# KiCad board EndGame.kicad_pcb (continued)
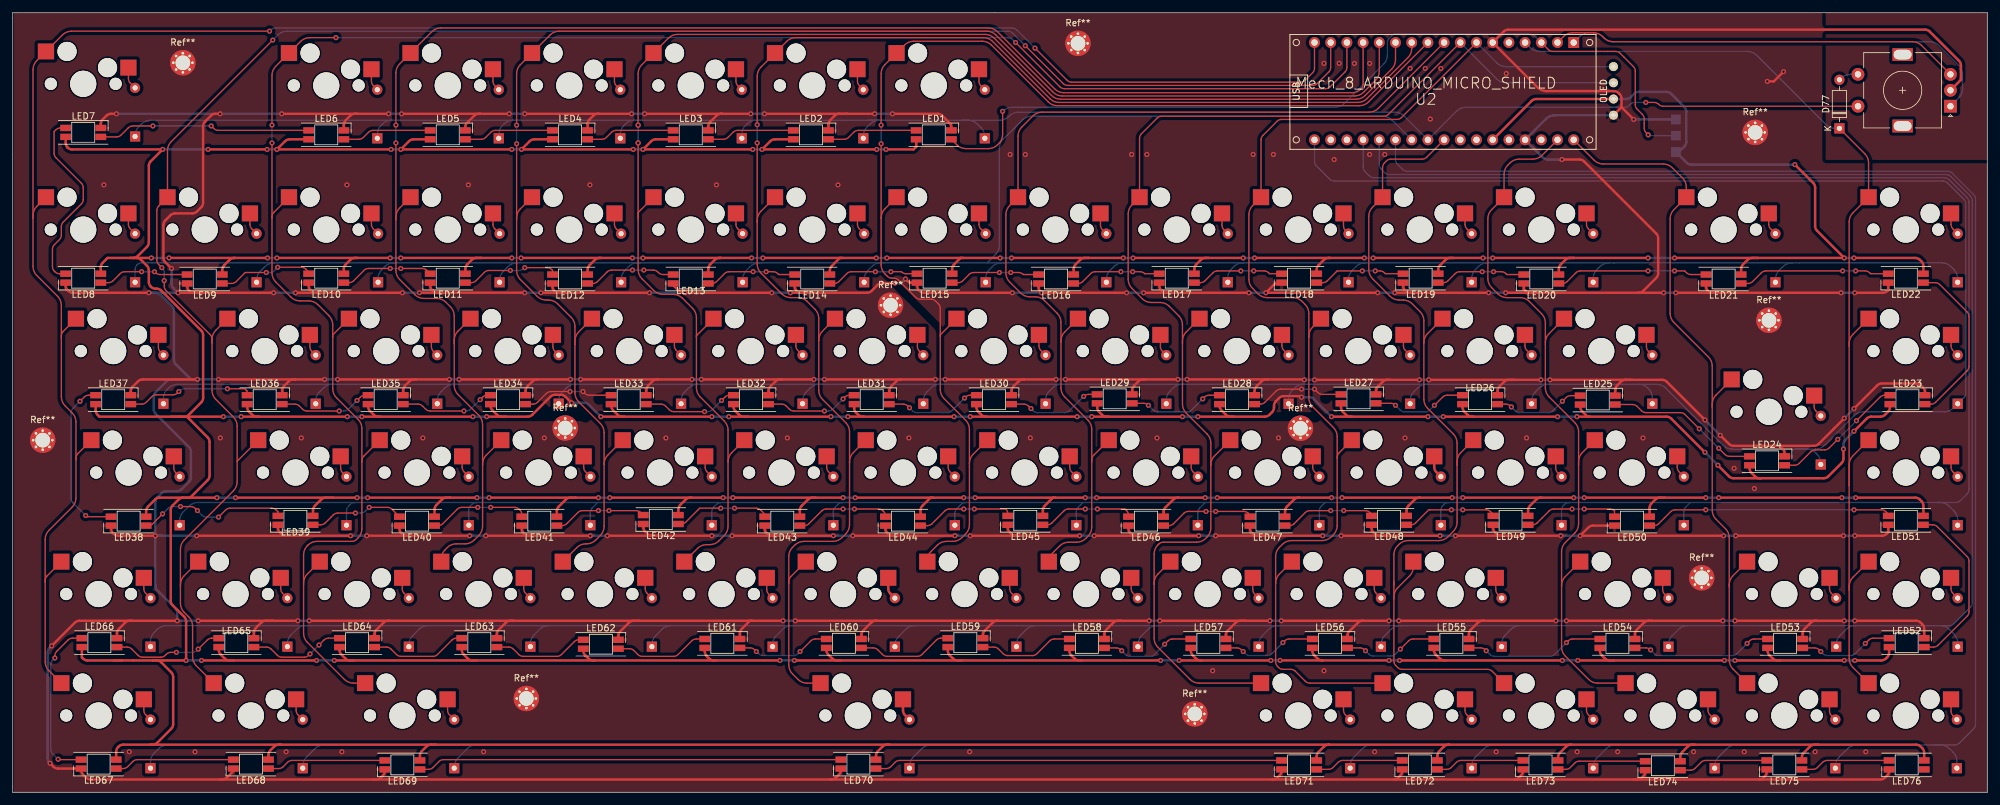
[diagram p0: board, top side]
## Routing (per net, layer and track width the routed paths; a pad name or vN(x,y) marks a point on that pad's centre or on a via; arc(x,y) is an arc through that point) (continued)
Net-(LED50-DOUT): length 38.9
  Top w0.2: LED50.2 257.33,41.81 arc(257.71,41.89) 258.04,42.11 259.93,44 arc(260.25,44.22) 260.64,44.29 v1(265.43,44.29) ; v1(288.67,44.29) 292.96,44.29 arc(293.34,44.22) 293.66,44 294.05,43.61 LED51.4
  Bottom w0.2: v1(265.43,44.29) v1(288.67,44.29)
Net-(LED51-DOUT): length 27.1
  Top w0.2: LED52.4 301.15,22.76 arc(301.53,22.84) 301.85,23.06 306.41,27.62 arc(306.63,27.94) 306.7,28.32 306.7,36.26 arc(306.63,36.64) 306.41,36.96 301.73,41.65 arc(301.4,41.86) 301.02,41.94 LED51.2
Net-(LED52-DOUT): length 15
  Top w0.2: 294.18,24.16 291.69,24.16 arc(291.31,24.09) 290.98,23.87 v1(290.45,23.34) ; LED53.4 282.48,22.64 arc(282.86,22.56) 283.19,22.34 v1(283.46,22.07)
  Bottom w0.2: v1(290.45,23.34) 288.84,21.72 arc(288.51,21.51) 288.13,21.43 284.51,21.43 arc(284.13,21.51) 283.81,21.72 v1(283.46,22.07)
Net-(LED53-DOUT): length 22.2
  Top w0.2: v1(271.91,23.34) 272.31,23.74 arc(272.64,23.96) 273.02,24.04 LED53.2 ; v1(256.79,22.32) 256.77,22.34 arc(256.45,22.56) 256.06,22.64 LED54.4
  Bottom w0.2: v1(271.91,23.34) 270.29,21.72 arc(269.97,21.51) 269.59,21.43 258.1,21.43 arc(257.71,21.51) 257.39,21.72 v1(256.79,22.32)
Net-(LED54-DOUT): length 22
  Top w0.2: v1(243.59,23.46) 243.87,23.74 arc(244.19,23.96) 244.57,24.04 LED54.2 ; v1(231.01,22.19) 230.86,22.34 arc(230.54,22.56) 230.16,22.64 LED55.4
  Bottom w0.2: v1(243.59,23.46) 241.72,21.6 arc(241.4,21.38) 241.01,21.3 232.32,21.3 arc(231.93,21.38) 231.61,21.6 v1(231.01,22.19)
Net-(LED55-DOUT): length 15
  Top w0.2: v1(217.55,22.45) 218.85,23.74 arc(219.17,23.96) 219.55,24.04 LED55.2 ; v1(212.09,22.19) 211.94,22.34 arc(211.62,22.56) 211.23,22.64 LED56.4
  Bottom w0.2: v1(212.09,22.19) 212.62,21.66 arc(212.95,21.45) 213.33,21.37 216.06,21.37 arc(216.44,21.45) 216.77,21.66 v1(217.55,22.45)
Net-(LED56-DOUT): length 15
  Top w0.2: LED56.2 200.12,24.04 arc(199.74,23.96) 199.42,23.74 v1(199.14,23.46) ; LED57.4 191.93,22.64 arc(192.31,22.56) 192.64,22.34 v1(192.91,22.07)
  Bottom w0.2: v1(192.91,22.07) 193.26,21.72 arc(193.58,21.51) 193.96,21.43 196.69,21.43 arc(197.07,21.51) 197.4,21.72 v1(199.14,23.46)
Net-(LED57-DOUT): length 15.1
  Top w0.2: v1(173.86,22.19) 173.71,22.34 arc(173.39,22.56) 173.01,22.64 LED58.4 ; v1(180.59,23.21) 181.13,23.74 arc(181.45,23.96) 181.84,24.04 LED57.2
  Bottom w0.2: v1(180.59,23.21) 178.69,21.3 175.17,21.3 arc(174.78,21.38) 174.46,21.6 v1(173.86,22.19)
Net-(LED58-DOUT): length 15
  Top w0.2: LED59.4 153.83,22.76 arc(154.21,22.69) 154.54,22.47 155.28,21.72 arc(155.61,21.51) 155.99,21.43 159.86,21.43 arc(160.24,21.51) 160.57,21.72 162.59,23.74 arc(162.91,23.96) 163.29,24.04 LED58.2
Net-(LED59-DOUT): length 15.1
  Top w0.2: 146.6,24.16 145.51,24.16 arc(145.13,24.09) 144.81,23.87 142.53,21.6 arc(142.21,21.38) 141.83,21.3 137.07,21.3 arc(136.68,21.38) 136.36,21.6 135.61,22.34 arc(135.29,22.56) 134.91,22.64 LED60.4
Net-(LED60-DOUT): length 15
  Top w0.2: v1(116.59,22.07) 116.31,22.34 arc(115.98,22.56) 115.6,22.64 LED61.4 ; LED60.2 125.83,24.04 arc(125.45,23.96) 125.12,23.74 v1(123.44,22.07)
  Bottom w0.2: v1(123.44,22.07) 123.1,21.72 arc(122.78,21.51) 122.39,21.43 117.64,21.43 arc(117.25,21.51) 116.93,21.72 v1(116.59,22.07)
Net-(LED61-DOUT): length 15
  Top w0.2: LED62.4 96.68,22.51 arc(97.06,22.43) 97.39,22.22 98.01,21.6 arc(98.33,21.38) 98.71,21.3 103.6,21.3 arc(103.98,21.38) 104.31,21.6 106.45,23.74 arc(106.78,23.96) 107.16,24.04 LED61.2
Net-(LED62-DOUT): length 15.1
  Top w0.2: LED63.4 77.76,22.76 arc(78.14,22.69) 78.46,22.47 79.34,21.6 arc(79.66,21.38) 80.04,21.3 85.31,21.3 arc(85.69,21.38) 86.02,21.6 88.04,23.62 arc(88.36,23.83) 88.74,23.91 LED62.2
Net-(LED63-DOUT): length 15.3
  Top w0.2: 70.4,24.16 69.57,24.16 arc(69.18,24.09) 68.86,23.87 66.59,21.6 arc(66.26,21.38) 65.88,21.3 60.87,21.3 arc(60.48,21.38) 60.16,21.6 59.29,22.47 arc(58.96,22.69) 58.58,22.76 LED64.4
Net-(LED64-DOUT): length 15.1
  Top w0.2: v1(48.01,23.08) 48.79,23.87 arc(49.12,24.09) 49.5,24.16 51.22,24.16 ; v1(46.61,21.69) 46.39,21.47 arc(46.07,21.25) 45.69,21.18 42.2,21.18 arc(41.81,21.25) 41.49,21.47 40.49,22.47 arc(40.17,22.69) 39.78,22.76 LED65.4
  Bottom w0.2: v1(48.01,23.08) v1(46.61,21.69)
Net-(LED65-DOUT): length 17.6
  Top w0.2: v1(25.65,21.94) 24.8,21.94 arc(24.42,21.86) 24.09,21.65 23.91,21.47 arc(23.59,21.25) 23.21,21.18 20.35,21.18 arc(19.97,21.25) 19.65,21.47 18.65,22.47 arc(18.32,22.69) 17.94,22.76 LED66.4 ; 32.3,24.16 31.21,24.16 arc(30.83,24.09) 30.51,23.87 v1(29.08,22.45)
  Bottom w0.2: v1(29.08,22.45) 28.87,22.23 arc(28.54,22.02) 28.16,21.94 v1(25.65,21.94)
Net-(LED66-DOUT): length 26
  Top w0.2: LED67.4 7.17,5.11 v1(7.11,5.18) ; 10.84,24.16 9.37,24.16 arc(8.99,24.09) 8.66,23.87 6.9,22.11 arc(6.68,21.78) 6.6,21.4 v1(6.6,21.05)
  Bottom w0.2: v1(6.6,21.05) 6.26,20.71 arc(6.05,20.38) 5.97,20 5.97,6.73 arc(6.05,6.35) 6.26,6.03 v1(7.11,5.18)
Net-(LED67-DOUT): length 18.9
  Top w0.2: LED68.4 19.53,5.11 arc(19.15,5.04) 18.82,4.82 18.01,4.01 arc(17.68,3.79) 17.3,3.71 16.21,3.71
Net-(LED68-DOUT): length 18.7
  Top w0.2: LED69.4 43.79,4.99 arc(43.4,4.91) 43.08,4.69 42.39,4.01 arc(42.07,3.79) 41.68,3.71 40.09,3.71
Net-(LED69-DOUT): length 66.5
  Top w0.2: LED70.4 67.54,5.11 arc(67.15,5.04) 66.83,4.82 65.89,3.88 arc(65.56,3.66) 65.18,3.59 LED69.2
Net-(LED70-DOUT): length 64
  Top w0.2: LED71.4 139.04,4.99 arc(138.65,4.91) 138.33,4.69 137.64,4.01 arc(137.32,3.79) 136.93,3.71 135.34,3.71
Net-(LED71-DOUT): length 13.9
  Top w0.2: LED71.2 206.28,3.59 arc(206.66,3.66) 206.98,3.88 207.8,4.69 arc(208.12,4.91) 208.51,4.99 LED72.4
Net-(LED72-DOUT): length 13.9
  Top w0.2: LED73.4 227.05,4.99 arc(226.66,4.91) 226.34,4.69 225.53,3.88 arc(225.2,3.66) 224.82,3.59 LED72.2
Net-(LED73-DOUT): length 14.1
  Top w0.2: 255.95,4.86 255.93,4.88 245.61,4.88 arc(245.23,4.8) 244.9,4.59 244.19,3.88 arc(243.87,3.66) 243.49,3.59 LED73.2
Net-(LED74-DOUT): length 14.1
  Top w0.2: LED75.4 265.4,4.99 arc(265.02,4.91) 264.69,4.69 263.75,3.75 arc(263.43,3.54) 263.05,3.46 LED74.2
Net-(LED75-DOUT): length 14.2
  Top w0.2: LED75.2 282.22,3.59 arc(282.61,3.66) 282.93,3.88 283.74,4.69 arc(284.07,4.91) 284.45,4.99 LED76.4

## Copper pours and planes (outline as drawn; the poured copper is in the pictures)
GND on Top: 312.94,123.62 0.21,123.62 0.21,-2.59 312.94,-2.59
GND on Bottom: 311.94,124.62 -0.79,124.62 -0.79,-1.59 311.94,-1.59
(no net) on Top, Bottom: 310.51,99.16 284.23,99.16 284.23,123.54 310.51,123.54
